# KiCad board SparkFun_GNSS_LG580P_panelized.kicad_pcb (continued)
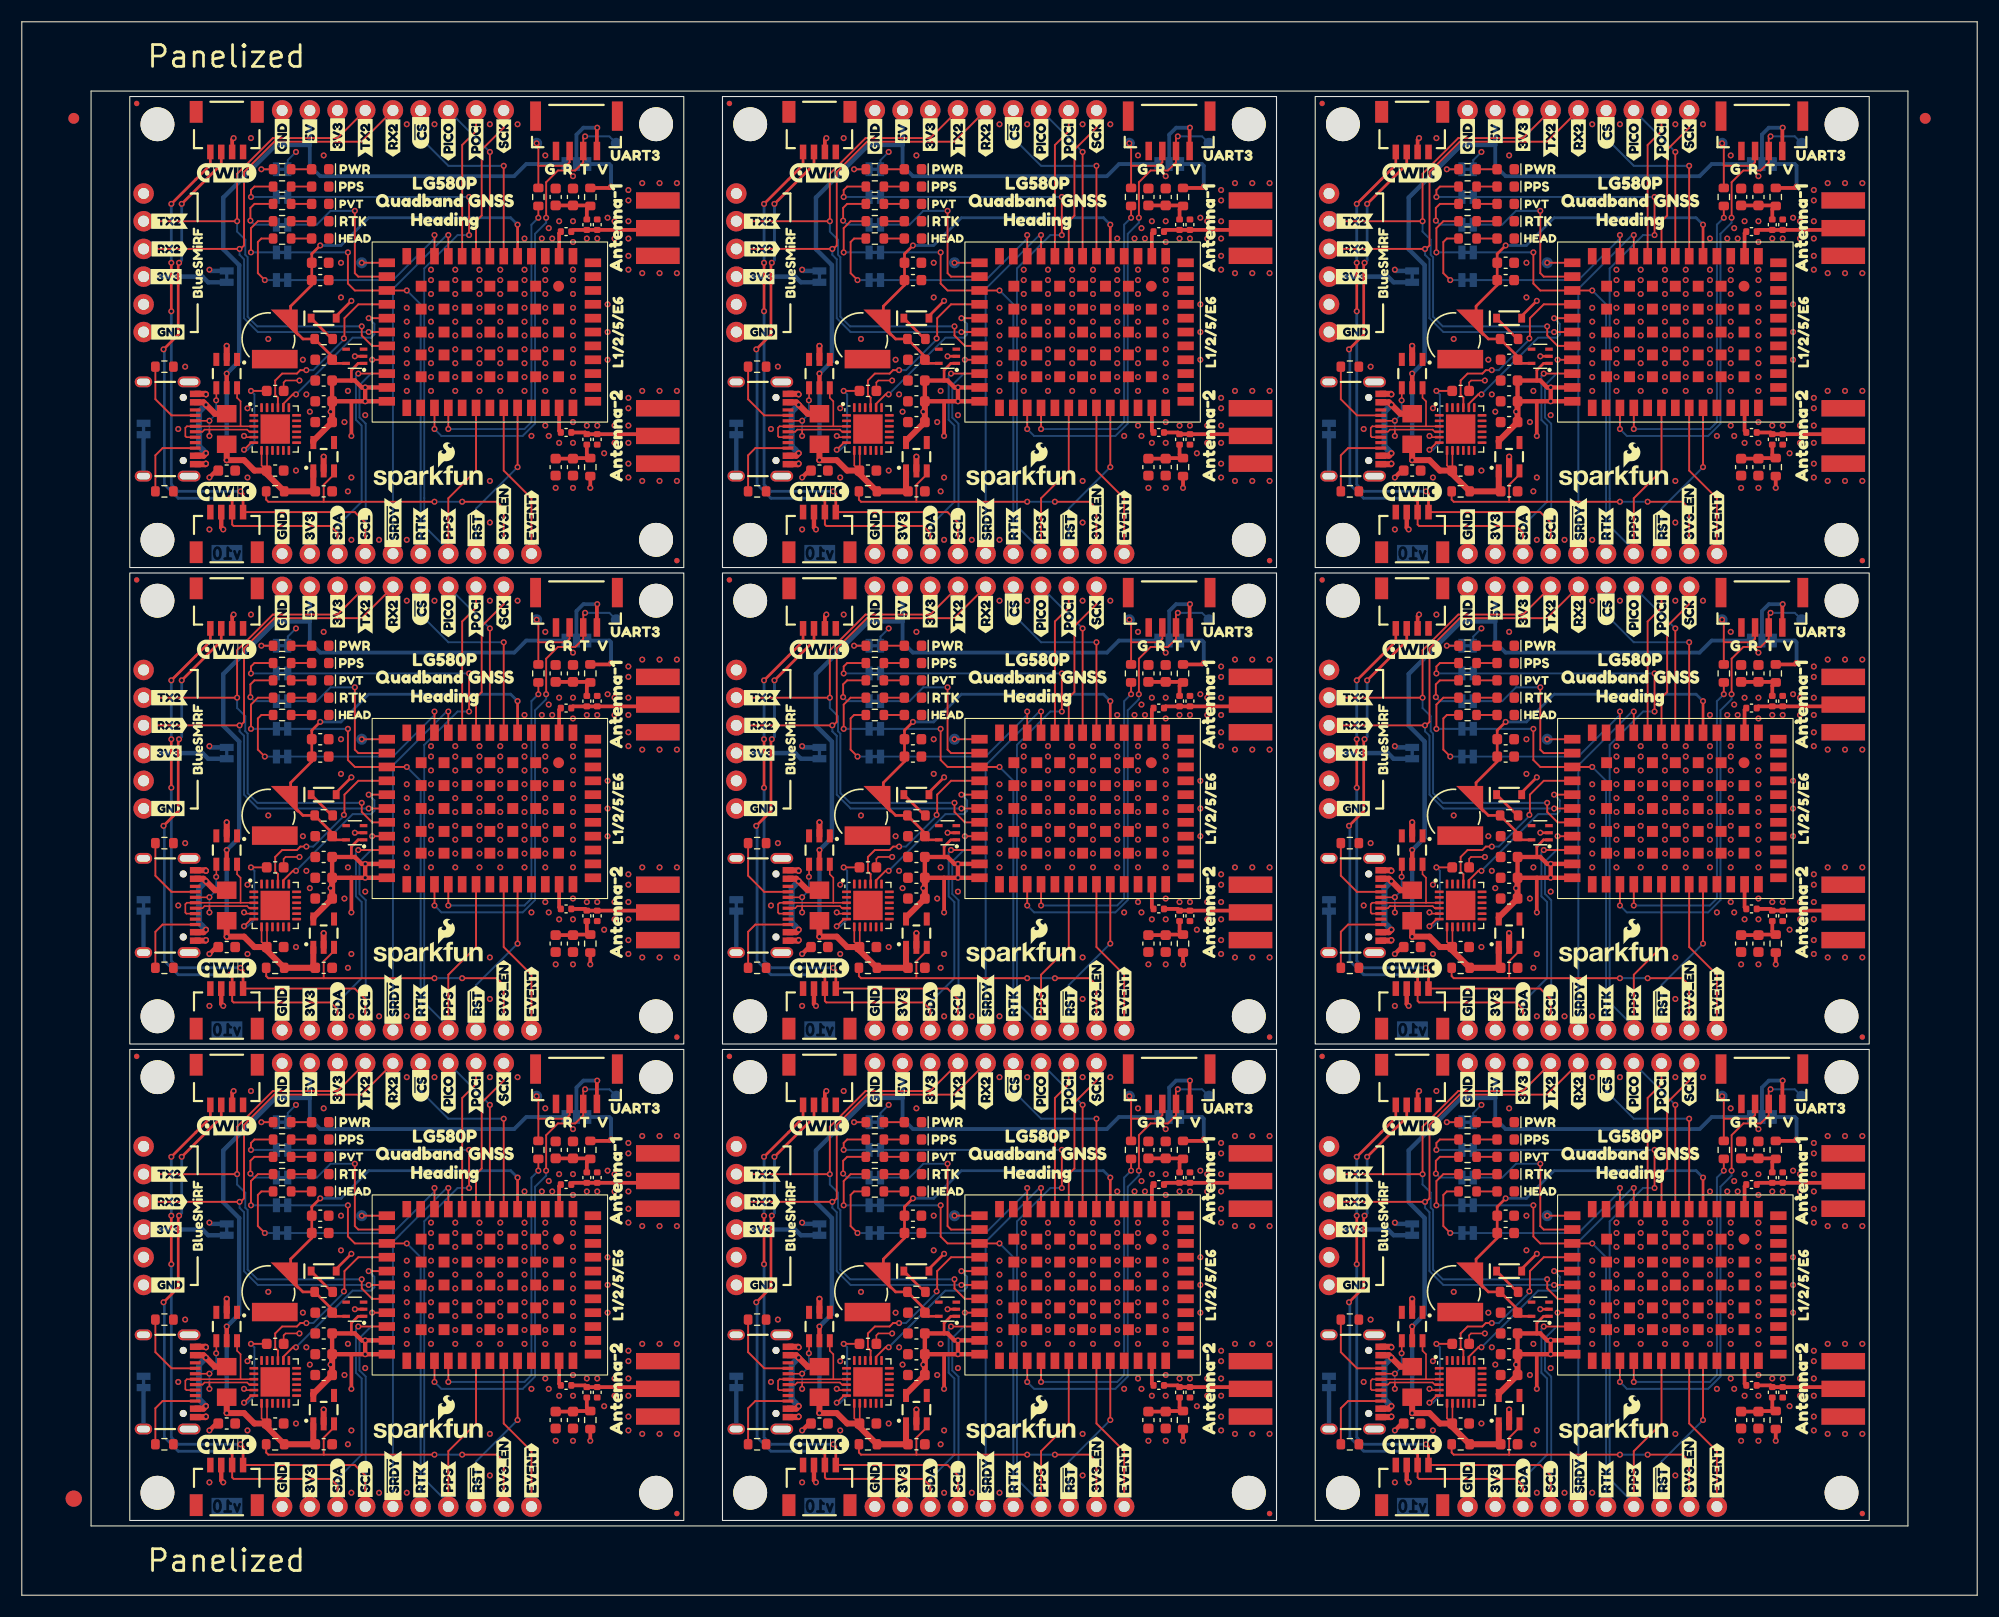
[diagram p0: board, top side]
## Library data of the parts (continued)
J1#9 = -: Datasheet: https://www.usb.org/sites/default/files/documents/usb_type-c.zip; Description: USB 2.0-only Type-C Receptacle connector; PROD_ID: CONN-14122; ki_fp_filters: USB*C*Receptacle*
J2 J2#2-J2#8 J10 J10#2-J10#8 = -: Description: Generic connector, single row, 01x06, script generated (kicad-library-utils/schlib/autogen/connector/)
J2#9 J10#9 = -: Description: Generic connector, single row, 01x06, script generated (kicad-library-utils/schlib/autogen/connector/); ki_fp_filters: Connector*:*_1x??_*
J3 J3#2-J3#8 J5 J5#2-J5#8 = -: Datasheet: https://www.sparkfun.com/datasheets/Wireless/Antenna/SMA-Connector.pdf; Description: SMA PCB Edge Mount connector; PROD_ID: CONN-08289
J3#9 J5#9 = -: Datasheet: https://www.sparkfun.com/datasheets/Wireless/Antenna/SMA-Connector.pdf; Description: SMA PCB Edge Mount connector; PROD_ID: CONN-08289; ki_fp_filters: *BNC* *SMA* *SMB* *SMC* *Cinch* *LEMO*
J4 J4#2-J4#8 J7 J7#2-J7#8 = -: Datasheet: https://www.jst-mfg.com/product/pdf/eng/eSH.pdf; Description: 4 pin JST 1mm polarized connector for I2C; PROD_ID: CONN-13694
J4#9 J7#9 = -: Datasheet: https://www.jst-mfg.com/product/pdf/eng/eSH.pdf; Description: 4 pin JST 1mm polarized connector for I2C; PROD_ID: CONN-13694; ki_fp_filters: Connector*:*_1x??_*
J6 J6#2-J6#8 = -: Description: Generic connector, single row, 01x09, script generated (kicad-library-utils/schlib/autogen/connector/)
J6#9 = -: Description: Generic connector, single row, 01x09, script generated (kicad-library-utils/schlib/autogen/connector/); ki_fp_filters: Connector*:*_1x??_*
J8 J8#2-J8#8 = -: Datasheet: https://www.jst-mfg.com/product/pdf/eng/eGH.pdf; Description: Generic connector, single row, 01x04, script generated (kicad-library-utils/schlib/autogen/connector/); PROD_ID: CONN-15303
J8#9 = -: Datasheet: https://www.jst-mfg.com/product/pdf/eng/eGH.pdf; Description: Generic connector, single row, 01x04, script generated (kicad-library-utils/schlib/autogen/connector/); PROD_ID: CONN-15303; ki_fp_filters: Connector*:*_1x??_*
J9 J9#2-J9#8 = -: Description: Coomon 4 pin PTH connector for I2C
J9#9 = -: Description: Coomon 4 pin PTH connector for I2C; ki_fp_filters: Connector*:*_1x??_*
JP1 JP1#2-JP1#8 JP2 JP2#2-JP2#8 JP3#2-JP3#9 JP5 JP5#2-JP5#8 JP6 JP6#2-JP6#8 JP7#2-JP7#9 JP8#2-JP8#9 = -: Description: Solder Jumper, 2-pole, closed/bridged
JP1#9 JP2#9 JP3 JP5#9 JP6#9 JP7 JP8 = -: Description: Solder Jumper, 2-pole, closed/bridged; ki_fp_filters: SolderJumper*Bridged*
JP4 = -: Description: 3-pole Solder Jumper, pins 1+2 closed/bridged; ki_fp_filters: SolderJumper*Bridged12*
JP4#2-JP4#9 = -: Description: 3-pole Solder Jumper, pins 1+2 closed/bridged
L1 = -: Description: Inductor; Current: 200mA; PROD_ID: NDUC-15356; ki_fp_filters: Choke_* *Coil* Inductor_* L_*
L1#2-L1#9 = -: Description: Inductor; Current: 200mA; PROD_ID: NDUC-15356
L2 L2#2-L2#8 = -: Description: Inductor; PROD_ID: NDUC-15356; Current: 200mA
L2#9 = -: Description: Inductor; PROD_ID: NDUC-15356; Current: 200mA; ki_fp_filters: Choke_* *Coil* Inductor_* L_*
R1 R1#2-R1#8 R2 R2#2-R2#8 = -: Datasheet: https://www.vishay.com/docs/20035/dcrcwe3.pdf; Description: Resistor; PROD_ID: RES-12083
R1#9 R2#9 = -: Datasheet: https://www.vishay.com/docs/20035/dcrcwe3.pdf; Description: Resistor; PROD_ID: RES-12083; ki_fp_filters: R_*
R3 R3#2-R3#8 R7#2-R7#9 R8 R8#2-R8#8 = -: Datasheet: https://www.vishay.com/docs/20035/dcrcwe3.pdf; Description: Resistor; PROD_ID: RES-07856
R3#9 R7 R8#9 = -: Datasheet: https://www.vishay.com/docs/20035/dcrcwe3.pdf; Description: Resistor; PROD_ID: RES-07856; ki_fp_filters: R_*
R4 R4#2-R4#8 = -: Datasheet: https://www.vishay.com/docs/20035/dcrcwe3.pdf; Description: Resistor; PROD_ID: RES-07857
R4#9 = -: Datasheet: https://www.vishay.com/docs/20035/dcrcwe3.pdf; Description: Resistor; PROD_ID: RES-07857; ki_fp_filters: R_*
R5 R5#2-R5#8 R11 R11#2-R11#8 = -: Datasheet: https://www.vishay.com/docs/20035/dcrcwe3.pdf; Description: Resistor; PROD_ID: RES-08272
R5#9 R11#9 = -: Datasheet: https://www.vishay.com/docs/20035/dcrcwe3.pdf; Description: Resistor; PROD_ID: RES-08272; ki_fp_filters: R_*
R6 R12#9 = -: Datasheet: https://www.vishay.com/docs/20035/dcrcwe3.pdf; Description: Resistor; PROD_ID: RES-12581; ki_fp_filters: R_*
R6#2-R6#9 R12 R12#2-R12#8 = -: Datasheet: https://www.vishay.com/docs/20035/dcrcwe3.pdf; Description: Resistor; PROD_ID: RES-12581
R9 = -: Datasheet: https://www.vishay.com/docs/20035/dcrcwe3.pdf; Description: Resistor; PROD_ID: RES-07828; ki_fp_filters: R_*
R9#2-R9#9 = -: Datasheet: https://www.vishay.com/docs/20035/dcrcwe3.pdf; Description: Resistor; PROD_ID: RES-07828
R10 R10#2-R10#8 = -: Datasheet: https://www.vishay.com/docs/20035/dcrcwe3.pdf; Description: Resistor; PROD_ID: RES-00818
R10#9 = -: Datasheet: https://www.vishay.com/docs/20035/dcrcwe3.pdf; Description: Resistor; PROD_ID: RES-00818; ki_fp_filters: R_*
ST1 ST1#2-ST1#8 ST2 ST2#2-ST2#8 ST3#2-ST3#9 ST4#2-ST4#9 = -: Description: Drill holes for mechanically mounting via screws, standoffs, etc.
ST1#9 ST2#9 ST3 ST4 = -: Description: Drill holes for mechanically mounting via screws, standoffs, etc.; ki_fp_filters: Fiducial*
TP1 TP1#2-TP1#8 TP2 TP2#2-TP2#8 TP3 TP3#2-TP3#8 = -: Description: Test Point
TP1#9 TP2#9 TP3#9 = -: Description: Test Point; ki_fp_filters: Pin* Test*
U1 U1#2-U1#8 = -: Datasheet: https://www.diodes.com/assets/Datasheets/DT1042-04SO.pdf; Description: Very low capacitance ESD protection diode, 4 data-line, SOT-23-6; PROD_ID: IC-13538
U1#9 = -: Datasheet: https://www.diodes.com/assets/Datasheets/DT1042-04SO.pdf; Description: Very low capacitance ESD protection diode, 4 data-line, SOT-23-6; PROD_ID: IC-13538; ki_fp_filters: SOT?23*
U2 U2#2-U2#8 = -: Datasheet: https://www.richtek.com/SaveDownload.aspx?specid=RT9080; Description: 600mA low dropout linear regulator, with enable pin, 3.8V-6V input voltage range, 3.3V fixed positive output, SOT-23-5; PROD_ID: VREG-19034; VMax: 5.5V; Imax: 600mA; Iq: 4µA; IMax: 600mA
U2#9 = -: Datasheet: https://www.richtek.com/SaveDownload.aspx?specid=RT9080; Description: 600mA low dropout linear regulator, with enable pin, 3.8V-6V input voltage range, 3.3V fixed positive output, SOT-23-5; PROD_ID: VREG-19034; VMax: 5.5V; Imax: 600mA; Iq: 4µA; IMax: 600mA; ki_fp_filters: SOT?23?5*
U3 U3#2-U3#9 = -: Datasheet: https://cdn.sparkfun.com/assets/1/8/d/6/6/Quectel_LG580P_03__Hardware_Design_V1.0.0_Preliminary_20241012.pdf; Description: Quectel Quadband GNSS Receiver with Heading; PROD_ID: GPS-25039
U4 U4#2-U4#8 = -: Datasheet: https://cdn.sparkfun.com/assets/4/5/0/b/7/CH342_Datasheet.pdf; Description: USB dual serial converter, UART, QFN-24; PROD_ID: IC-23059
U4#9 = -: Datasheet: https://cdn.sparkfun.com/assets/4/5/0/b/7/CH342_Datasheet.pdf; Description: USB dual serial converter, UART, QFN-24; PROD_ID: IC-23059; ki_fp_filters: SOIC*3.9x9.9mm*P1.27mm*

## Footprints (pads in the part's own frame, mm; a bottom-side part is the same pattern mirrored in y, then rotated)
1x04
  round 1.88 hole 1.016: 1(0,0) 2(2.54,0) 3(5.08,0) 4(7.62,0)
1x06
  round 1.88 hole 1.016: 1(0,0) 2(2.54,0) 3(5.08,0) 4(7.62,0) 5(10.16,0) 6(12.7,0)
1x09
  round 1.88 hole 1.016: 1(0,0) 2(2.54,0) 3(5.08,0) 4(7.62,0) 5(10.16,0) 6(12.7,0) 7(15.24,0) 8(17.78,0) 9(20.32,0)
1206
  rect 1.6x1.8 smd: 1(-1.4,0) 2(1.4,0)
C_0402_1005Metric
  rrect 0.56x0.62 smd: 1(-0.48,0) 2(0.48,0)
C_0603_1608Metric
  rrect 0.9x0.95 smd: 1(-0.775,0) 2(0.775,0)
Fiducial_0.5mm_Mask1mm
  round 0.5 smd: (0,0)
Fiducial_1.5mm_Mask3mm
  round 1.5 smd: (0,0)
Fiducial_1mm_Mask3mm
  round 1 smd: (0,0)
JST_SMD_1.0mm-4_Black
  rect 0.6x1.35 smd: 1(-1.5,0) 2(-0.5,0) 3(0.5,0) 4(1.5,0)
  rect 1.2x2 smd: NC1(2.8,-3.675) NC2(-2.8,-3.675)
JST_SMD_1.25mm-4_Locking
  rect 0.6x1.7 smd: 1(-1.875,1.75) 2(-0.625,1.75) 3(0.625,1.75) 4(1.875,1.75)
  rect 1x2.7 smd: NC1(-3.75,-1.45) NC2(3.75,-1.45)
Jumper_2_NC_Trace
  rect 0.66x1.27 smd: 1(-0.521,0) 2(0.521,0)
Jumper_3_NC-1_Trace
  rect 0.66x1.27 smd: 1(-1.041,0) 2(0,0) 3(1.041,0)
LED_0603_1608Metric_Blue
  rrect 0.875x0.95 smd: 1(-0.787,0) 2(0.787,0)
LED_0603_1608Metric_Green
  rrect 0.875x0.95 smd: 1(-0.787,0) 2(0.787,0)
LED_0603_1608Metric_Red
  rrect 0.875x0.95 smd: 1(-0.787,0) 2(0.787,0)
LED_0603_1608Metric_White
  rrect 0.875x0.95 smd: 1(-0.787,0) 2(0.787,0)
LED_0603_1608Metric_Yellow
  rrect 0.875x0.95 smd: 1(-0.787,0) 2(0.787,0)
ML414H_IV01E
  custom 2.485x2.485 smd: +(2.05,2.152)
  rect 4.2x1.7 smd: -(0.6,-1.85)
QFN-24-1EP_4x4mm_P0.5mm_EP2.7x2.7mm
  rrect 1.09x1.09 smd: (-0.675,0.675) (-0.675,-0.675) (0.675,0.675) (0.675,-0.675)
  rrect 0.825x0.25 smd: 1(-1.962,1.25) 2(-1.962,0.75) 3(-1.962,0.25) 4(-1.962,-0.25) 5(-1.962,-0.75) 6(-1.962,-1.25) 13(1.962,-1.25) 14(1.962,-0.75) 15(1.962,-0.25) 16(1.962,0.25) 17(1.962,0.75) 18(1.962,1.25)
  rrect 0.25x0.825 smd: 7(-1.25,-1.962) 8(-0.75,-1.962) 9(-0.25,-1.962) 10(0.25,-1.962) 11(0.75,-1.962) 12(1.25,-1.962) 19(1.25,1.962) 20(0.75,1.962) 21(0.25,1.962) 22(-0.25,1.962) 23(-0.75,1.962) 24(-1.25,1.962)
  rect 2.7x2.7 smd: 25(0,0)
Quectel_LG580P
  rect 1.5x0.8 smd: 1(-6.95,7.62) 2(-6.95,6.35) 3(-6.95,5.08) 4(-6.95,3.81) 5(-6.95,2.54) 6(-6.95,1.27) 7(-6.95,0) 8(-6.95,-1.27) 9(-6.95,-2.54) 10(-6.95,-3.81) 11(-6.95,-5.08) 12(-6.95,-6.35) 13(-6.95,-7.62) 25(6.95,-7.62) 26(6.95,-6.35) 27(6.95,-5.08) 28(6.95,-3.81) 29(6.95,-2.54) 30(6.95,-1.27) 31(6.95,0) 32(6.95,1.27) 33(6.95,2.54) 34(6.95,3.81) 35(6.95,5.08) 36(6.95,6.35) 37(6.95,7.62)
  rect 0.8x1.5 smd: 14(-6.35,-9.45) 15(-5.08,-9.45) 16(-3.81,-9.45) 17(-2.54,-9.45) 18(-1.27,-9.45) 19(0,-9.45) 20(1.27,-9.45) 21(2.54,-9.45) 22(3.81,-9.45) 23(5.08,-9.45) 24(6.35,-9.45) 38(6.35,9.45) 39(5.08,9.45) 40(3.81,9.45) 41(2.54,9.45) 42(1.27,9.45) 43(0,9.45) 44(-1.27,9.45) 45(-2.54,9.45) 46(-3.81,9.45) 47(-5.08,9.45) 48(-6.35,9.45)
  round 1 smd: 49(-4.2,6.3)
  rect 1x1 smd: 49(-4.2,4.2) 49(-4.2,2.1) 49(-4.2,0) 49(-4.2,-2.1) 49(-4.2,-4.2) 49(-4.2,-6.3) 49(-2.1,6.3) 49(-2.1,4.2) 49(-2.1,2.1) 49(-2.1,0) 49(-2.1,-2.1) 49(-2.1,-4.2) 49(-2.1,-6.3) 49(0,6.3) 49(0,4.2) 49(0,2.1) 49(0,0) 49(0,-2.1) 49(0,-4.2) 49(0,-6.3) 49(2.1,6.3) 49(2.1,4.2) 49(2.1,2.1) 49(2.1,0) 49(2.1,-2.1) 49(2.1,-4.2) 49(2.1,-6.3) 49(4.1,6.3) 49(4.1,4.2) 49(4.1,2.1) 49(4.1,0) 49(4.1,-2.1) 49(4.1,-4.2) 49(4.1,-6.3)
R_0603_1608Metric
  rrect 0.8x0.95 smd: 1(-0.825,0) 2(0.825,0)
SMA_Edge
  rect 1.5x4 smd: 1(0,0) 2(-2.54,0) 2(2.54,0)
  rect 1.5x4 smd far side: 2(-2.54,0) 2(2.54,0)
SOD-323
  rect 0.63x0.83 smd: 1(-1.15,0) 2(1.15,0)
SOT23-5
  rect 1.2x0.55 smd: 1(-1.3,0.95) 2(-1.3,0) 3(-1.3,-0.95) 4(1.3,-0.95) 5(1.3,0.95)
SOT23-6
  rect 1.2x0.55 smd: 1(-1.3,0.95) 2(-1.3,0) 3(-1.3,-0.95) 4(1.3,-0.95) 5(1.3,0) 6(1.3,0.95)
SOT-353
  rect 0.7x0.3 smd: 1(-0.8,0.65) 2(-0.8,0) 3(-0.8,-0.65) 4(0.8,-0.65) 5(0.8,0.65)
Standoff
  round 3.1 hole 3.1 unplated: (0,0)
TestPoint-1.0mm
  rrect 1.016x1.016 smd: 1(0,0)
USB-C_16
  round 0.65 hole 0.65 unplated: (-2.89,-1.445) (2.89,-1.445)
  rect 0.3x1 smd: A5(-1.25,-0.34) A6(-0.25,-0.34) A7(0.25,-0.34) A8(1.25,-0.34) B5(1.75,-0.34) B6(0.75,-0.34) B7(-0.75,-0.34) B8(-1.75,-0.34)
  rect 0.6x1 smd: GND(-3.225,-0.34) GND(3.225,-0.34) VBUS(-2.45,-0.34) VBUS(2.45,-0.34)
  oval 1x1.6 hole 0.6x1.2: NC1(-4.318,-5.095) S(4.318,-5.095)
  oval 1x2.1 hole 0.6x1.7: NC2(-4.318,-0.915) NC3(4.318,-0.915)

## Nets
3.3V: C2.1 C2#2.1 C2#3.1 C2#4.1 C2#5.1 C2#6.1 C2#7.1 C2#8.1 C2#9.1 C5.1 C5#2.1 C5#3.1 C5#4.1 C5#5.1 C5#6.1 C5#7.1 C5#8.1 C5#9.1 C8.1 C8#2.1 C8#3.1 C8#4.1 C8#5.1 C8#6.1 C8#7.1 C8#8.1 C8#9.1 C13.1 C13#2.1 C13#3.1 C13#4.1 C13#5.1 C13#6.1 C13#7.1 C13#8.1 C13#9.1 D5.2 D5#2.2 D5#3.2 D5#4.2 D5#5.2 D5#6.2 D5#7.2 D5#8.2 D5#9.2 D11.1 D11#2.1 D11#3.1 D11#4.1 D11#5.1 D11#6.1 D11#7.1 D11#8.1 D11#9.1 J4.2 J4#2.2 J4#3.2 J4#4.2 J4#5.2 J4#6.2 J4#7.2 J4#8.2 J4#9.2 J6.7 J6#2.7 J6#3.7 J6#4.7 J6#5.7 J6#6.7 J6#7.7 J6#8.7 J6#9.7 J7.2 J7#2.2 J7#3.2 J7#4.2 J7#5.2 J7#6.2 J7#7.2 J7#8.2 J7#9.2 J9.2 J9#2.2 J9#3.2 J9#4.2 J9#5.2 J9#6.2 J9#7.2 J9#8.2 J9#9.2 JP1.2 JP1#2.2 JP1#3.2 JP1#4.2 JP1#5.2 JP1#6.2 JP1#7.2 JP1#8.2 JP1#9.2 JP2.2 JP2#2.2 JP2#3.2 JP2#4.2 JP2#5.2 JP2#6.2 JP2#7.2 JP2#8.2 JP2#9.2 JP4.1 JP4#2.1 JP4#3.1 JP4#4.1 JP4#5.1 JP4#6.1 JP4#7.1 JP4#8.1 JP4#9.1 R6.2 R6#2.2 R6#3.2 R6#4.2 R6#5.2 R6#6.2 R6#7.2 R6#8.2 R6#9.2 R12.2 R12#2.2 R12#3.2 R12#4.2 R12#5.2 R12#6.2 R12#7.2 R12#8.2 R12#9.2 U2.5 U2#2.5 U2#3.5 U2#4.5 U2#5.5 U2#6.5 U2#7.5 U2#8.5 U2#9.5 U3.23 U3.24 U3#2.23 U3#2.24 U3#3.23 U3#3.24 U3#4.23 U3#4.24 U3#5.23 U3#5.24 U3#6.23 U3#6.24 U3#7.23 U3#7.24 U3#8.23 U3#8.24 U3#9.23 U3#9.24 U4.5 U4#2.5 U4#3.5 U4#4.5 U4#5.5 U4#6.5 U4#7.5 U4#8.5 U4#9.5
3V3_EN: J10.5 J10#2.5 J10#3.5 J10#4.5 J10#5.5 J10#6.5 J10#7.5 J10#8.5 J10#9.5 R9.1 R9#2.1 R9#3.1 R9#4.1 R9#5.1 R9#6.1 R9#7.1 R9#8.1 R9#9.1 U2.3 U2#2.3 U2#3.3 U2#4.3 U2#5.3 U2#6.3 U2#7.3 U2#8.3 U2#9.3
5V: C1.1 C1#2.1 C1#3.1 C1#4.1 C1#5.1 C1#6.1 C1#7.1 C1#8.1 C1#9.1 C7.1 C7#2.1 C7#3.1 C7#4.1 C7#5.1 C7#6.1 C7#7.1 C7#8.1 C7#9.1 F1.1 F1#2.1 F1#3.1 F1#4.1 F1#5.1 F1#6.1 F1#7.1 F1#8.1 F1#9.1 J6.8 J6#2.8 J6#3.8 J6#4.8 J6#5.8 J6#6.8 J6#7.8 J6#8.8 J6#9.8 JP4.3 JP4#2.3 JP4#3.3 JP4#4.3 JP4#5.3 JP4#6.3 JP4#7.3 JP4#8.3 JP4#9.3 R9.2 R9#2.2 R9#3.2 R9#4.2 R9#5.2 R9#6.2 R9#7.2 R9#8.2 R9#9.2 U1.5 U1#2.5 U1#3.5 U1#4.5 U1#5.5 U1#6.5 U1#7.5 U1#8.5 U1#9.5 U2.1 U2#2.1 U2#3.1 U2#4.1 U2#5.1 U2#6.1 U2#7.1 U2#8.1 U2#9.1 U4.7 U4.8 U4#2.7 U4#2.8 U4#3.7 U4#3.8 U4#4.7 U4#4.8 U4#5.7 U4#5.8 U4#6.7 U4#6.8 U4#7.7 U4#7.8 U4#8.7 U4#8.8 U4#9.7 U4#9.8
GND: BT1.- BT1#2.- BT1#3.- BT1#4.- BT1#5.- BT1#6.- BT1#7.- BT1#8.- BT1#9.- C1.2 C1#2.2 C1#3.2 C1#4.2 C1#5.2 C1#6.2 C1#7.2 C1#8.2 C1#9.2 C2.2 C2#2.2 C2#3.2 C2#4.2 C2#5.2 C2#6.2 C2#7.2 C2#8.2 C2#9.2 C3.2 C3#2.2 C3#3.2 C3#4.2 C3#5.2 C3#6.2 C3#7.2 C3#8.2 C3#9.2 C4.2 C4#2.2 C4#3.2 C4#4.2 C4#5.2 C4#6.2 C4#7.2 C4#8.2 C4#9.2 C5.2 C5#2.2 C5#3.2 C5#4.2 C5#5.2 C5#6.2 C5#7.2 C5#8.2 C5#9.2 C7.2 C7#2.2 C7#3.2 C7#4.2 C7#5.2 C7#6.2 C7#7.2 C7#8.2 C7#9.2 C8.2 C8#2.2 C8#3.2 C8#4.2 C8#5.2 C8#6.2 C8#7.2 C8#8.2 C8#9.2 C9.2 C9#2.2 C9#3.2 C9#4.2 C9#5.2 C9#6.2 C9#7.2 C9#8.2 C9#9.2 C10.1 C10#2.1 C10#3.1 C10#4.1 C10#5.1 C10#6.1 C10#7.1 C10#8.1 C10#9.1 C11.2 C11#2.2 C11#3.2 C11#4.2 C11#5.2 C11#6.2 C11#7.2 C11#8.2 C11#9.2 C12.2 C12#2.2 C12#3.2 C12#4.2 C12#5.2 C12#6.2 C12#7.2 C12#8.2 C12#9.2 C13.2 C13#2.2 C13#3.2 C13#4.2 C13#5.2 C13#6.2 C13#7.2 C13#8.2 C13#9.2 C14.2 C14#2.2 C14#3.2 C14#4.2 C14#5.2 C14#6.2 C14#7.2 C14#8.2 C14#9.2 C15.2 C15#2.2 C15#3.2 C15#4.2 C15#5.2 C15#6.2 C15#7.2 C15#8.2 C15#9.2 D1.1 D1#2.1 D1#3.1 D1#4.1 D1#5.1 D1#6.1 D1#7.1 D1#8.1 D1#9.1 D2.1 D2#2.1 D2#3.1 D2#4.1 D2#5.1 D2#6.1 D2#7.1 D2#8.1 D2#9.1 D3.1 D3#2.1 D3#3.1 D3#4.1 D3#5.1 D3#6.1 D3#7.1 D3#8.1 D3#9.1 D4.1 D4#2.1 D4#3.1 D4#4.1 D4#5.1 D4#6.1 D4#7.1 D4#8.1 D4#9.1 D8.1 D8#2.1 D8#3.1 D8#4.1 D8#5.1 D8#6.1 D8#7.1 D8#8.1 D8#9.1 D9.1 D9#2.1 D9#3.1 D9#4.1 D9#5.1 D9#6.1 D9#7.1 D9#8.1 D9#9.1 D10.1 D10#2.1 D10#3.1 D10#4.1 D10#5.1 D10#6.1 D10#7.1 D10#8.1 D10#9.1 D11.2 D11#2.2 D11#3.2 D11#4.2 D11#5.2 D11#6.2 D11#7.2 D11#8.2 D11#9.2 J1.GND J1#2.GND J1#3.GND J1#4.GND J1#5.GND J1#6.GND J1#7.GND J1#8.GND J1#9.GND J2.6 J2#2.6 J2#3.6 J2#4.6 J2#5.6 J2#6.6 J2#7.6 J2#8.6 J2#9.6 J3.2 J3#2.2 J3#3.2 J3#4.2 J3#5.2 J3#6.2 J3#7.2 J3#8.2 J3#9.2 J4.1 J4#2.1 J4#3.1 J4#4.1 J4#5.1 J4#6.1 J4#7.1 J4#8.1 J4#9.1 J5.2 J5#2.2 J5#3.2 J5#4.2 J5#5.2 J5#6.2 J5#7.2 J5#8.2 J5#9.2 J6.9 J6#2.9 J6#3.9 J6#4.9 J6#5.9 J6#6.9 J6#7.9 J6#8.9 J6#9.9 J7.1 J7#2.1 J7#3.1 J7#4.1 J7#5.1 J7#6.1 J7#7.1 J7#8.1 J7#9.1 J8.4 J8#2.4 J8#3.4 J8#4.4 J8#5.4 J8#6.4 J8#7.4 J8#8.4 J8#9.4 J9.1 J9#2.1 J9#3.1 J9#4.1 J9#5.1 J9#6.1 J9#7.1 J9#8.1 J9#9.1 JP7.1 JP7#2.1 JP7#3.1 JP7#4.1 JP7#5.1 JP7#6.1 JP7#7.1 JP7#8.1 JP7#9.1 R1.1 R1#2.1 R1#3.1 R1#4.1 R1#5.1 R1#6.1 R1#7.1 R1#8.1 R1#9.1 R2.1 R2#2.1 R2#3.1 R2#4.1 R2#5.1 R2#6.1 R2#7.1 R2#8.1 R2#9.1 U1.2 U1#2.2 U1#3.2 U1#4.2 U1#5.2 U1#6.2 U1#7.2 U1#8.2 U1#9.2 U2.2 U2#2.2 U2#3.2 U2#4.2 U2#5.2 U2#6.2 U2#7.2 U2#8.2 U2#9.2 U3.1 U3.3 U3.4 U3.34 U3.35 U3.37 U3.41 U3.43 U3.45 U3.49 U3#2.1 U3#2.3 U3#2.4 U3#2.34 U3#2.35 U3#2.37 U3#2.41 U3#2.43 U3#2.45 U3#2.49 U3#3.1 U3#3.3 U3#3.4 U3#3.34 U3#3.35 U3#3.37 U3#3.41 U3#3.43 U3#3.45 U3#3.49 U3#4.1 U3#4.3 U3#4.4 U3#4.34 U3#4.35 U3#4.37 U3#4.41 U3#4.43 U3#4.45 U3#4.49 U3#5.1 U3#5.3 U3#5.4 U3#5.34 U3#5.35 U3#5.37 U3#5.41 U3#5.43 U3#5.45 U3#5.49 U3#6.1 U3#6.3 U3#6.4 U3#6.34 U3#6.35 U3#6.37 U3#6.41 U3#6.43 U3#6.45 U3#6.49 U3#7.1 U3#7.3 U3#7.4 U3#7.34 U3#7.35 U3#7.37 U3#7.41 U3#7.43 U3#7.45 U3#7.49 U3#8.1 U3#8.3 U3#8.4 U3#8.34 U3#8.35 U3#8.37 U3#8.41 U3#8.43 U3#8.45 U3#8.49 U3#9.1 U3#9.3 U3#9.4 U3#9.34 U3#9.35 U3#9.37 U3#9.41 U3#9.43 U3#9.45 U3#9.49 U4.2 U4.25 U4#2.2 U4#2.25 U4#3.2 U4#3.25 U4#4.2 U4#4.25 U4#5.2 U4#5.25 U4#6.2 U4#6.25 U4#7.2 U4#7.25 U4#8.2 U4#8.25 U4#9.2 U4#9.25
ANT_IN1: C6.2 C6#2.2 C6#3.2 C6#4.2 C6#5.2 C6#6.2 C6#7.2 C6#8.2 C6#9.2 U3.2 U3#2.2 U3#3.2 U3#4.2 U3#5.2 U3#6.2 U3#7.2 U3#8.2 U3#9.2
ANT_IN2: C16.2 C16#2.2 C16#3.2 C16#4.2 C16#5.2 C16#6.2 C16#7.2 C16#8.2 C16#9.2 U3.36 U3#2.36 U3#3.36 U3#4.36 U3#5.36 U3#6.36 U3#7.36 U3#8.36 U3#9.36
EVENT: J10.6 J10#2.6 J10#3.6 J10#4.6 J10#5.6 J10#6.6 J10#7.6 J10#8.6 J10#9.6 U3.32 U3#2.32 U3#3.32 U3#4.32 U3#5.32 U3#6.32 U3#7.32 U3#8.32 U3#9.32
HEADING_STAT: JP6.2 JP6#2.2 JP6#3.2 JP6#4.2 JP6#5.2 JP6#6.2 JP6#7.2 JP6#8.2 JP6#9.2 U3.11 U3#2.11 U3#3.11 U3#4.11 U3#5.11 U3#6.11 U3#7.11 U3#8.11 U3#9.11
PICO: J6.3 J6#2.3 J6#3.3 J6#4.3 J6#5.3 J6#6.3 J6#7.3 J6#8.3 J6#9.3 U3.7 U3#2.7 U3#3.7 U3#4.7 U3#5.7 U3#6.7 U3#7.7 U3#8.7 U3#9.7
POCI: J6.2 J6#2.2 J6#3.2 J6#4.2 J6#5.2 J6#6.2 J6#7.2 J6#8.2 J6#9.2 U3.9 U3#2.9 U3#3.9 U3#4.9 U3#5.9 U3#6.9 U3#7.9 U3#8.9 U3#9.9
PPS: J10.3 J10#2.3 J10#3.3 J10#4.3 J10#5.3 J10#6.3 J10#7.3 J10#8.3 J10#9.3 JP3.2 JP3#2.2 JP3#3.2 JP3#4.2 JP3#5.2 JP3#6.2 JP3#7.2 JP3#8.2 JP3#9.2 U3.30 U3#2.30 U3#3.30 U3#4.30 U3#5.30 U3#6.30 U3#7.30 U3#8.30 U3#9.30
PVT_STAT: JP8.2 JP8#2.2 JP8#3.2 JP8#4.2 JP8#5.2 JP8#6.2 JP8#7.2 JP8#8.2 JP8#9.2 U3.15 U3#2.15 U3#3.15 U3#4.15 U3#5.15 U3#6.15 U3#7.15 U3#8.15 U3#9.15
RTK_STAT: J10.2 J10#2.2 J10#3.2 J10#4.2 J10#5.2 J10#6.2 J10#7.2 J10#8.2 J10#9.2 JP5.2 JP5#2.2 JP5#3.2 JP5#4.2 JP5#5.2 JP5#6.2 JP5#7.2 JP5#8.2 JP5#9.2 U3.16 U3#2.16 U3#3.16 U3#4.16 U3#5.16 U3#6.16 U3#7.16 U3#8.16 U3#9.16
RXD1: U3.17 U3#2.17 U3#3.17 U3#4.17 U3#5.17 U3#6.17 U3#7.17 U3#8.17 U3#9.17 U4.21 U4#2.21 U4#3.21 U4#4.21 U4#5.21 U4#6.21 U4#7.21 U4#8.21 U4#9.21
RXD2: J2.3 J2#2.3 J2#3.3 J2#4.3 J2#5.3 J2#6.3 J2#7.3 J2#8.3 J2#9.3 J6.5 J6#2.5 J6#3.5 J6#4.5 J6#5.5 J6#6.5 J6#7.5 J6#8.5 J6#9.5 U3.19 U3#2.19 U3#3.19 U3#4.19 U3#5.19 U3#6.19 U3#7.19 U3#8.19 U3#9.19
RXD3: R8.2 R8#2.2 R8#3.2 R8#4.2 R8#5.2 R8#6.2 R8#7.2 R8#8.2 R8#9.2 U3.28 U3#2.28 U3#3.28 U3#4.28 U3#5.28 U3#6.28 U3#7.28 U3#8.28 U3#9.28
SCK: J6.1 J6#2.1 J6#3.1 J6#4.1 J6#5.1 J6#6.1 J6#7.1 J6#8.1 J6#9.1 U3.8 U3#2.8 U3#3.8 U3#4.8 U3#5.8 U3#6.8 U3#7.8 U3#8.8 U3#9.8
SCL: J4.4 J4#2.4 J4#3.4 J4#4.4 J4#5.4 J4#6.4 J4#7.4 J4#8.4 J4#9.4 J7.4 J7#2.4 J7#3.4 J7#4.4 J7#5.4 J7#6.4 J7#7.4 J7#8.4 J7#9.4 J9.4 J9#2.4 J9#3.4 J9#4.4 J9#5.4 J9#6.4 J9#7.4 J9#8.4 J9#9.4 U3.21 U3#2.21 U3#3.21 U3#4.21 U3#5.21 U3#6.21 U3#7.21 U3#8.21 U3#9.21
SDA: J4.3 J4#2.3 J4#3.3 J4#4.3 J4#5.3 J4#6.3 J4#7.3 J4#8.3 J4#9.3 J7.3 J7#2.3 J7#3.3 J7#4.3 J7#5.3 J7#6.3 J7#7.3 J7#8.3 J7#9.3 J9.3 J9#2.3 J9#3.3 J9#4.3 J9#5.3 J9#6.3 J9#7.3 J9#8.3 J9#9.3 U3.22 U3#2.22 U3#3.22 U3#4.22 U3#5.22 U3#6.22 U3#7.22 U3#8.22 U3#9.22
TXD1: U3.18 U3#2.18 U3#3.18 U3#4.18 U3#5.18 U3#6.18 U3#7.18 U3#8.18 U3#9.18 U4.20 U4#2.20 U4#3.20 U4#4.20 U4#5.20 U4#6.20 U4#7.20 U4#8.20 U4#9.20
TXD2: J2.2 J2#2.2 J2#3.2 J2#4.2 J2#5.2 J2#6.2 J2#7.2 J2#8.2 J2#9.2 J6.6 J6#2.6 J6#3.6 J6#4.6 J6#5.6 J6#6.6 J6#7.6 J6#8.6 J6#9.6 U3.20 U3#2.20 U3#3.20 U3#4.20 U3#5.20 U3#6.20 U3#7.20 U3#8.20 U3#9.20
TXD3: J8.2 J8#2.2 J8#3.2 J8#4.2 J8#5.2 J8#6.2 J8#7.2 J8#8.2 J8#9.2 TP3.1 TP3#2.1 TP3#3.1 TP3#4.1 TP3#5.1 TP3#6.1 TP3#7.1 TP3#8.1 TP3#9.1 U3.27 U3#2.27 U3#3.27 U3#4.27 U3#5.27 U3#6.27 U3#7.27 U3#8.27 U3#9.27
V_BCKP: BT1.+ BT1#2.+ BT1#3.+ BT1#4.+ BT1#5.+ BT1#6.+ BT1#7.+ BT1#8.+ BT1#9.+ C9.1 C9#2.1 C9#3.1 C9#4.1 C9#5.1 C9#6.1 C9#7.1 C9#8.1 C9#9.1 C11.1 C11#2.1 C11#3.1 C11#4.1 C11#5.1 C11#6.1 C11#7.1 C11#8.1 C11#9.1 C12.1 C12#2.1 C12#3.1 C12#4.1 C12#5.1 C12#6.1 C12#7.1 C12#8.1 C12#9.1 D11.5 D11#2.5 D11#3.5 D11#4.5 D11#5.5 D11#6.5 D11#7.5 D11#8.5 D11#9.5 R7.1 R7#2.1 R7#3.1 R7#4.1 R7#5.1 R7#6.1 R7#7.1 R7#8.1 R7#9.1 U3.5 U3#2.5 U3#3.5 U3#4.5 U3#5.5 U3#6.5 U3#7.5 U3#8.5 U3#9.5
~{CS}: J6.4 J6#2.4 J6#3.4 J6#4.4 J6#5.4 J6#6.4 J6#7.4 J6#8.4 J6#9.4 U3.6 U3#2.6 U3#3.6 U3#4.6 U3#5.6 U3#6.6 U3#7.6 U3#8.6 U3#9.6
~{ERR}_STAT: TP1.1 TP1#2.1 TP1#3.1 TP1#4.1 TP1#5.1 TP1#6.1 TP1#7.1 TP1#8.1 TP1#9.1 U3.14 U3#2.14 U3#3.14 U3#4.14 U3#5.14 U3#6.14 U3#7.14 U3#8.14 U3#9.14
~{RESET}: J10.4 J10#2.4 J10#3.4 J10#4.4 J10#5.4 J10#6.4 J10#7.4 J10#8.4 J10#9.4 U3.33 U3#2.33 U3#3.33 U3#4.33 U3#5.33 U3#6.33 U3#7.33 U3#8.33 U3#9.33
~{SDRY}: J10.1 J10#2.1 J10#3.1 J10#4.1 J10#5.1 J10#6.1 J10#7.1 J10#8.1 J10#9.1 U3.10 U3#2.10 U3#3.10 U3#4.10 U3#5.10 U3#6.10 U3#7.10 U3#8.10 U3#9.10
Net-(C3-Pad1): C3.1 C3#2.1 C3#3.1 C3#4.1 C3#5.1 C3#6.1 C3#7.1 C3#8.1 C3#9.1 C4.1 C4#2.1 C4#3.1 C4#4.1 C4#5.1 C4#6.1 C4#7.1 C4#8.1 C4#9.1 L1.1 L1#2.1 L1#3.1 L1#4.1 L1#5.1 L1#6.1 L1#7.1 L1#8.1 L1#9.1 R6.1 R6#2.1 R6#3.1 R6#4.1 R6#5.1 R6#6.1 R6#7.1 R6#8.1 R6#9.1
Net-(C14-Pad1): C14.1 C14#2.1 C14#3.1 C14#4.1 C14#5.1 C14#6.1 C14#7.1 C14#8.1 C14#9.1 C15.1 C15#2.1 C15#3.1 C15#4.1 C15#5.1 C15#6.1 C15#7.1 C15#8.1 C15#9.1 L2.1 L2#2.1 L2#3.1 L2#4.1 L2#5.1 L2#6.1 L2#7.1 L2#8.1 L2#9.1 R12.1 R12#2.1 R12#3.1 R12#4.1 R12#5.1 R12#6.1 R12#7.1 R12#8.1 R12#9.1
Net-(D1-A): D1.2 D1#2.2 D1#3.2 D1#4.2 D1#5.2 D1#6.2 D1#7.2 D1#8.2 D1#9.2 R4.1 R4#2.1 R4#3.1 R4#4.1 R4#5.1 R4#6.1 R4#7.1 R4#8.1 R4#9.1
Net-(D2-A): D2.2 D2#2.2 D2#3.2 D2#4.2 D2#5.2 D2#6.2 D2#7.2 D2#8.2 D2#9.2 R3.1 R3#2.1 R3#3.1 R3#4.1 R3#5.1 R3#6.1 R3#7.1 R3#8.1 R3#9.1
Net-(D3-A2): C6.1 C6#2.1 C6#3.1 C6#4.1 C6#5.1 C6#6.1 C6#7.1 C6#8.1 C6#9.1 D3.2 D3#2.2 D3#3.2 D3#4.2 D3#5.2 D3#6.2 D3#7.2 D3#8.2 D3#9.2 J5.1 J5#2.1 J5#3.1 J5#4.1 J5#5.1 J5#6.1 J5#7.1 J5#8.1 J5#9.1 L1.2 L1#2.2 L1#3.2 L1#4.2 L1#5.2 L1#6.2 L1#7.2 L1#8.2 L1#9.2
Net-(D4-A): D4.2 D4#2.2 D4#3.2 D4#4.2 D4#5.2 D4#6.2 D4#7.2 D4#8.2 D4#9.2 R5.1 R5#2.1 R5#3.1 R5#4.1 R5#5.1 R5#6.1 R5#7.1 R5#8.1 R5#9.1
Net-(D5-K): D5.1 D5#2.1 D5#3.1 D5#4.1 D5#5.1 D5#6.1 D5#7.1 D5#8.1 D5#9.1 R7.2 R7#2.2 R7#3.2 R7#4.2 R7#5.2 R7#6.2 R7#7.2 R7#8.2 R7#9.2
Net-(D8-A): D8.2 D8#2.2 D8#3.2 D8#4.2 D8#5.2 D8#6.2 D8#7.2 D8#8.2 D8#9.2 R10.1 R10#2.1 R10#3.1 R10#4.1 R10#5.1 R10#6.1 R10#7.1 R10#8.1 R10#9.1
Net-(D9-A): D9.2 D9#2.2 D9#3.2 D9#4.2 D9#5.2 D9#6.2 D9#7.2 D9#8.2 D9#9.2 R11.1 R11#2.1 R11#3.1 R11#4.1 R11#5.1 R11#6.1 R11#7.1 R11#8.1 R11#9.1
Net-(D10-A2): C16.1 C16#2.1 C16#3.1 C16#4.1 C16#5.1 C16#6.1 C16#7.1 C16#8.1 C16#9.1 D10.2 D10#2.2 D10#3.2 D10#4.2 D10#5.2 D10#6.2 D10#7.2 D10#8.2 D10#9.2 J3.1 J3#2.1 J3#3.1 J3#4.1 J3#5.1 J3#6.1 J3#7.1 J3#8.1 J3#9.1 L2.2 L2#2.2 L2#3.2 L2#4.2 L2#5.2 L2#6.2 L2#7.2 L2#8.2 L2#9.2
Net-(F1-Pad2): F1.2 F1#2.2 F1#3.2 F1#4.2 F1#5.2 F1#6.2 F1#7.2 F1#8.2 F1#9.2 J1.VBUS J1#2.VBUS J1#3.VBUS J1#4.VBUS J1#5.VBUS J1#6.VBUS J1#7.VBUS J1#8.VBUS J1#9.VBUS
Net-(J1-CC1): J1.A5 J1#2.A5 J1#3.A5 J1#4.A5 J1#5.A5 J1#6.A5 J1#7.A5 J1#8.A5 J1#9.A5 R2.2 R2#2.2 R2#3.2 R2#4.2 R2#5.2 R2#6.2 R2#7.2 R2#8.2 R2#9.2
Net-(J1-CC2): J1.B5 J1#2.B5 J1#3.B5 J1#4.B5 J1#5.B5 J1#6.B5 J1#7.B5 J1#8.B5 J1#9.B5 R1.2 R1#2.2 R1#3.2 R1#4.2 R1#5.2 R1#6.2 R1#7.2 R1#8.2 R1#9.2
Net-(J1-SHIELD): J1.S J1#2.S J1#3.S J1#4.S J1#5.S J1#6.S J1#7.S J1#8.S J1#9.S JP7.2 JP7#2.2 JP7#3.2 JP7#4.2 JP7#5.2 JP7#6.2 JP7#7.2 JP7#8.2 JP7#9.2
Net-(J2-Pin_4): J2.4 J2#2.4 J2#3.4 J2#4.4 J2#5.4 J2#6.4 J2#7.4 J2#8.4 J2#9.4 JP1.1 JP1#2.1 JP1#3.1 JP1#4.1 JP1#5.1 JP1#6.1 JP1#7.1 JP1#8.1 JP1#9.1
Net-(J8-Pin_1): J8.1 J8#2.1 J8#3.1 J8#4.1 J8#5.1 J8#6.1 J8#7.1 J8#8.1 J8#9.1 JP4.2 JP4#2.2 JP4#3.2 JP4#4.2 JP4#5.2 JP4#6.2 JP4#7.2 JP4#8.2 JP4#9.2
Net-(J8-Pin_3): J8.3 J8#2.3 J8#3.3 J8#4.3 J8#5.3 J8#6.3 J8#7.3 J8#8.3 J8#9.3 R8.1 R8#2.1 R8#3.1 R8#4.1 R8#5.1 R8#6.1 R8#7.1 R8#8.1 R8#9.1 TP2.1 TP2#2.1 TP2#3.1 TP2#4.1 TP2#5.1 TP2#6.1 TP2#7.1 TP2#8.1 TP2#9.1
Net-(JP2-A): JP2.1 JP2#2.1 JP2#3.1 JP2#4.1 JP2#5.1 JP2#6.1 JP2#7.1 JP2#8.1 JP2#9.1 R4.2 R4#2.2 R4#3.2 R4#4.2 R4#5.2 R4#6.2 R4#7.2 R4#8.2 R4#9.2
Net-(JP3-A): JP3.1 JP3#2.1 JP3#3.1 JP3#4.1 JP3#5.1 JP3#6.1 JP3#7.1 JP3#8.1 JP3#9.1 R5.2 R5#2.2 R5#3.2 R5#4.2 R5#5.2 R5#6.2 R5#7.2 R5#8.2 R5#9.2
Net-(JP5-A): JP5.1 JP5#2.1 JP5#3.1 JP5#4.1 JP5#5.1 JP5#6.1 JP5#7.1 JP5#8.1 JP5#9.1 R3.2 R3#2.2 R3#3.2 R3#4.2 R3#5.2 R3#6.2 R3#7.2 R3#8.2 R3#9.2
Net-(JP6-A): JP6.1 JP6#2.1 JP6#3.1 JP6#4.1 JP6#5.1 JP6#6.1 JP6#7.1 JP6#8.1 JP6#9.1 R10.2 R10#2.2 R10#3.2 R10#4.2 R10#5.2 R10#6.2 R10#7.2 R10#8.2 R10#9.2
Net-(JP8-A): JP8.1 JP8#2.1 JP8#3.1 JP8#4.1 JP8#5.1 JP8#6.1 JP8#7.1 JP8#8.1 JP8#9.1 R11.2 R11#2.2 R11#3.2 R11#4.2 R11#5.2 R11#6.2 R11#7.2 R11#8.2 R11#9.2
Net-(U1-I/O3): J1.A7 J1.B7 J1#2.A7 J1#2.B7 J1#3.A7 J1#3.B7 J1#4.A7 J1#4.B7 J1#5.A7 J1#5.B7 J1#6.A7 J1#6.B7 J1#7.A7 J1#7.B7 J1#8.A7 J1#8.B7 J1#9.A7 J1#9.B7 U1.4 U1#2.4 U1#3.4 U1#4.4 U1#5.4 U1#6.4 U1#7.4 U1#8.4 U1#9.4 U4.4 U4#2.4 U4#3.4 U4#4.4 U4#5.4 U4#6.4 U4#7.4 U4#8.4 U4#9.4
Net-(U1-I/O4): J1.A6 J1.B6 J1#2.A6 J1#2.B6 J1#3.A6 J1#3.B6 J1#4.A6 J1#4.B6 J1#5.A6 J1#5.B6 J1#6.A6 J1#6.B6 J1#7.A6 J1#7.B6 J1#8.A6 J1#8.B6 J1#9.A6 J1#9.B6 U1.6 U1#2.6 U1#3.6 U1#4.6 U1#5.6 U1#6.6 U1#7.6 U1#8.6 U1#9.6 U4.3 U4#2.3 U4#3.3 U4#4.3 U4#5.3 U4#6.3 U4#7.3 U4#8.3 U4#9.3
Net-(U4-V3): C10.2 C10#2.2 C10#3.2 C10#4.2 C10#5.2 C10#6.2 C10#7.2 C10#8.2 C10#9.2 U4.6 U4#2.6 U4#3.6 U4#4.6 U4#5.6 U4#6.6 U4#7.6 U4#8.6 U4#9.6

Pads without a net: D11 3 4; D11#2 3 4; D11#3 3 4; D11#4 3 4; D11#5 3 4; D11#6 3 4; D11#7 3 4; D11#8 3 4; D11#9 3 4; J1 A8 B8 NC1 NC2 NC3; J1#2 A8 B8 NC1 NC2 NC3; J1#3 A8 B8 NC1 NC2 NC3; J1#4 A8 B8 NC1 NC2 NC3; J1#5 A8 B8 NC1 NC2 NC3; J1#6 A8 B8 NC1 NC2 NC3; J1#7 A8 B8 NC1 NC2 NC3; J1#8 A8 B8 NC1 NC2 NC3; J1#9 A8 B8 NC1 NC2 NC3; J2 1 5; J2#2 1 5; J2#3 1 5; J2#4 1 5; J2#5 1 5; J2#6 1 5; J2#7 1 5; J2#8 1 5; J2#9 1 5; J4 NC1 NC2; J4#2 NC1 NC2; J4#3 NC1 NC2; J4#4 NC1 NC2; J4#5 NC1 NC2; J4#6 NC1 NC2; J4#7 NC1 NC2; J4#8 NC1 NC2; J4#9 NC1 NC2; J7 NC1 NC2; J7#2 NC1 NC2; J7#3 NC1 NC2; J7#4 NC1 NC2; J7#5 NC1 NC2; J7#6 NC1 NC2; J7#7 NC1 NC2; J7#8 NC1 NC2; J7#9 NC1 NC2; J8 NC1 NC2; J8#2 NC1 NC2; J8#3 NC1 NC2; J8#4 NC1 NC2; J8#5 NC1 NC2; J8#6 NC1 NC2; J8#7 NC1 NC2; J8#8 NC1 NC2; J8#9 NC1 NC2; U1 1 3; U1#2 1 3; U1#3 1 3; U1#4 1 3; U1#5 1 3; U1#6 1 3; U1#7 1 3; U1#8 1 3; U1#9 1 3; U2 4; U2#2 4; U2#3 4; U2#4 4; U2#5 4; U2#6 4; U2#7 4; U2#8 4; U2#9 4; U3 12 13 25 26 29 31 38 39 40 42 44 46 47 48; U3#2 12 13 25 26 29 31 38 39 40 42 44 46 47 48; U3#3 12 13 25 26 29 31 38 39 40 42 44 46 47 48; U3#4 12 13 25 26 29 31 38 39 40 42 44 46 47 48; U3#5 12 13 25 26 29 31 38 39 40 42 44 46 47 48; U3#6 12 13 25 26 29 31 38 39 40 42 44 46 47 48; U3#7 12 13 25 26 29 31 38 39 40 42 44 46 47 48; U3#8 12 13 25 26 29 31 38 39 40 42 44 46 47 48; U3#9 12 13 25 26 29 31 38 39 40 42 44 46 47 48; U4 1 9 10 11 12 13 14 15 16 17 18 19 22 23 24; U4#2 1 9 10 11 12 13 14 15 16 17 18 19 22 23 24; U4#3 1 9 10 11 12 13 14 15 16 17 18 19 22 23 24; U4#4 1 9 10 11 12 13 14 15 16 17 18 19 22 23 24; U4#5 1 9 10 11 12 13 14 15 16 17 18 19 22 23 24; U4#6 1 9 10 11 12 13 14 15 16 17 18 19 22 23 24; U4#7 1 9 10 11 12 13 14 15 16 17 18 19 22 23 24; U4#8 1 9 10 11 12 13 14 15 16 17 18 19 22 23 24; U4#9 1 9 10 11 12 13 14 15 16 17 18 19 22 23 24

## Via types
v1: diameter 0.56, hole 0.3, Top to Bottom, 2088 vias

## Routing (per net, layer and track width the routed paths; a pad name or vN(x,y) marks a point on that pad's centre or on a via; arc(x,y) is an arc through that point)
3.3V: length 371.8
  Top w0.152: U4#5.5 74.84,62.48 v1(74.72,62.6) ; v1(129.07,62.6) 129.19,62.48 U4#6.5 ; U4#8.5 129.19,106.16 v1(129.07,106.28) ; U4#3.5 74.84,106.16 v1(74.72,106.28) ; U4#9.5 20.49,18.8 v1(20.38,18.92) ; U4#4.5 20.49,106.16 v1(20.38,106.28) ; U4.5 74.84,18.8 v1(74.72,18.92) ; U4#7.5 129.19,18.8 v1(129.07,18.92) ; v1(20.38,62.6) 20.49,62.48 U4#2.5
  Top w0.254: 83.18,29.71 83.18,29.91 v1(84.57,31.3) ; D5.2 137.52,73.59 v1(138.91,74.98) ; 84.57,67.68 84.57,68.63 85.19,69.25 D11#5.1 ; D11#3.1 30.84,69.25 30.22,68.63 30.22,67.68 ; D5#7.2 137.52,29.91 v1(138.91,31.3) ; 138.91,111.36 138.91,112.31 139.53,112.93 D11#2.1 ; v1(84.57,118.66) 83.18,117.27 83.18,117.07 ; D5#8.2 137.52,117.27 v1(138.91,118.66) ; D5#2.2 28.83,117.27 v1(30.22,118.66) ; 30.22,111.36 30.22,112.31 30.84,112.93 D11.1 ; v1(30.22,74.98) 28.83,73.59 D5#4.2 ; 138.91,24 138.91,24.95 139.53,25.57 D11#6.1 ; D5#9.2 28.83,29.91 v1(30.22,31.3) ; D11#7.1 139.53,69.25 138.91,68.63 138.91,67.68 ; 83.18,73.39 83.18,73.59 v1(84.57,74.98) ; 84.57,111.36 84.57,112.31 85.19,112.93 D11#8.1 ; 84.57,24 84.57,24.95 85.19,25.57 D11#4.1 ; 30.22,24 30.22,24.95 30.84,25.57 D11#9.1
  Top w0.349: v1(128.12,46.22) 127.98,46.09 J7#8.2 ; J7#3.2 73.64,133.44 v1(73.77,133.58) ; R12#2.2 v1(160.82,14.15) ; J7#4.2 73.64,46.09 v1(73.77,46.22) ; J7#7.2 127.98,133.44 v1(128.12,133.58) ; v1(128.12,89.9) 127.98,89.77 J7#6.2 ; R6#9.2 108.25,129.01 v1(108.38,129.13) ; J7#9.2 19.29,46.09 v1(19.42,46.22) ; v1(162.73,41.78) 162.6,41.65 R6#6.2 ; R12#7.2 v1(160.82,57.83) ; v1(19.42,133.58) 19.29,133.44 J7.2 ; R12.2 v1(52.13,101.51) ; J7#2.2 19.29,89.77 v1(19.42,89.9) ; R6#5.2 53.9,129.01 v1(54.03,129.13) ; R12#8.2 v1(160.82,101.51) ; R12#5.2 v1(52.13,57.83) ; R6#4.2 108.25,41.65 v1(108.38,41.78) ; R6#8.2 108.25,85.33 v1(108.38,85.46) ; R6#7.2 162.6,85.33 v1(162.73,85.46) ; v1(138.91,106.28) 138.91,109.45 ; R6#3.2 53.9,85.33 v1(54.03,85.46) ; v1(30.22,62.6) 30.22,65.77 ; v1(162.73,129.13) 162.6,129.01 R6#2.2 ; J7#5.2 73.64,89.77 v1(73.77,89.9) ; R12#4.2 v1(106.47,101.51) ; v1(84.57,62.6) 84.57,65.77 ; v1(138.91,18.92) 138.91,22.09 ; v1(54.03,41.78) 53.9,41.65 R6.2 ; R12#3.2 v1(106.47,57.83) ; v1(84.57,18.92) 84.57,22.09 ; v1(138.91,62.6) 138.91,65.77 ; v1(30.22,18.92) 30.22,22.09 ; v1(84.57,106.28) 84.57,109.45 ; R12#6.2 v1(106.47,14.15) ; v1(30.22,106.28) 30.22,109.45 ; R12#9.2 v1(52.13,14.15)
  Top w0.406: v1(17.2,58.78) 17.84,59.42 C13#5.1 ; v1(31.49,67.04) 31.17,67.04 30.54,67.68 C8#2.1 C5#3.1 v1(31.49,65.77) ; v1(31.49,67.04) 33.47,67.04 ; v1(31.49,67.04) v1(31.49,65.77) ; 33.47,65.77 v1(31.49,65.77) ; v1(140.18,22.09) C5#7.1 C8.1 139.23,24 139.87,23.36 v1(140.18,23.36) ; v1(140.18,22.09) U3#8.24 ; v1(140.18,22.09) v1(140.18,23.36) ; v1(125.9,15.11) 126.53,15.74 C13#8.1 ; v1(72.82,97.7) 72.64,97.89 J4#5.2 ; v1(85.84,110.72) v1(85.84,109.45) ; v1(85.84,110.72) U3#7.23 ; v1(85.84,110.72) 85.52,110.72 84.88,111.36 C8#7.1 C5.1 v1(85.84,109.45) ; v1(85.84,109.45) U3#7.24 ; v1(85.84,22.09) C5#2.1 C8#4.1 84.88,24 85.52,23.36 v1(85.84,23.36) ; v1(85.84,22.09) v1(85.84,23.36) ; v1(85.84,22.09) U3.24 ; 33.47,110.72 v1(31.49,110.72) ; v1(31.49,110.72) v1(31.49,109.45) ; v1(31.49,110.72) 31.17,110.72 30.54,111.36 C8#5.1 C5#4.1 v1(31.49,109.45) ; 33.47,22.09 v1(31.49,22.09) ; v1(31.49,22.09) C5#9.1 C8#9.1 30.54,24 31.17,23.36 v1(31.49,23.36) ; v1(31.49,22.09) v1(31.49,23.36) ; v1(31.49,109.45) 33.47,109.45 ; U3#6.24 v1(140.18,65.77) ; v1(140.18,65.77) v1(140.18,67.04) ; v1(140.18,65.77) C5#8.1 C8#8.1 139.23,67.68 139.87,67.04 v1(140.18,67.04) ; C13.1 17.84,15.74 v1(17.2,15.11) ; v1(85.84,23.36) U3.23 ; v1(140.18,23.36) U3#8.23 ; v1(17.2,102.47) 17.84,103.1 C13#2.1 ; J4#6.2 72.64,54.2 v1(72.82,54.02) ; v1(140.18,67.04) U3#6.23 ; v1(125.9,58.78) 126.53,59.42 C13#9.1 ; v1(18.47,97.7) 18.29,97.89 J4.2 ; U3#2.24 v1(140.18,109.45) ; v1(140.18,109.45) C5#6.1 C8#3.1 139.23,111.36 139.87,110.72 v1(140.18,110.72) ; v1(140.18,109.45) v1(140.18,110.72) ; v1(72.82,10.34) 72.64,10.53 J4#4.2 ; C13#3.1 126.53,103.1 v1(125.9,102.47) ; J4#9.2 18.29,10.53 v1(18.47,10.34) ; v1(71.55,102.47) 72.18,103.1 C13#7.1 ; v1(71.55,58.78) 72.18,59.42 C13#6.1 ; v1(85.84,65.77) C5#5.1 C8#6.1 84.88,67.68 85.52,67.04 v1(85.84,67.04) ; v1(85.84,65.77) U3#5.24 ; v1(85.84,65.77) v1(85.84,67.04) ; v1(71.55,15.11) 72.18,15.74 C13#4.1 ; v1(127.17,54.02) 126.98,54.2 J4#3.2 ; v1(85.84,67.04) U3#5.23 ; v1(127.17,10.34) 126.98,10.53 J4#7.2 ; v1(140.18,110.72) U3#2.23 ; J4#2.2 18.29,54.2 v1(18.47,54.02) ; 33.47,23.36 v1(31.49,23.36) ; v1(127.17,97.7) 126.98,97.89 J4#8.2
  Top w0.559: C5#2.1 C2#3.1 81.08,18.46 81.08,18.31 ; C5#4.1 C2#4.1 26.73,105.82 U2#2.5 ; U2#9.5 26.73,18.46 C2#9.1 C5#9.1 ; C5#3.1 C2.1 26.73,62.14 U2#4.5 ; 81.08,61.99 81.08,62.14 C2#5.1 C5#5.1 ; U2#7.5 135.42,105.82 C2#8.1 C5#6.1 ; C5#7.1 C2#7.1 135.42,18.46 U2#3.5 ; U2#8.5 135.42,62.14 C2#2.1 C5#8.1 ; C5.1 C2#6.1 81.08,105.82 81.08,105.67
  Bottom w0.178: JP2#3.2 24.39,87.88 v1(25.14,88.63) ; v1(133.83,44.95) 133.08,44.2 JP2#2.2 ; v1(133.83,88.63) 133.08,87.88 JP2#8.2 ; JP2#4.2 78.74,44.2 v1(79.49,44.95) ; v1(79.49,88.63) 78.74,87.88 JP2.2 ; v1(25.14,44.95) 24.39,44.2 JP2#9.2 ; v1(25.14,132.31) 24.39,131.56 JP2#7.2 ; JP2#6.2 133.08,131.56 v1(133.83,132.31) ; JP2#5.2 78.74,131.56 v1(79.49,132.31)
  Bottom w0.349: JP4#7.1 162.57,43.84 162.73,43.68 v1(162.73,41.78) ; JP4#2.1 108.22,87.52 108.38,87.36 v1(108.38,85.46) ; v1(162.73,85.46) 162.73,87.36 162.57,87.52 JP4#9.1 ; JP4.1 53.87,43.84 54.03,43.68 v1(54.03,41.78) ; v1(54.03,85.46) 54.03,87.36 53.87,87.52 JP4#3.1 ; JP4#8.1 108.22,131.2 108.38,131.04 v1(108.38,129.13) ; JP4#6.1 162.57,131.2 162.73,131.04 v1(162.73,129.13) ; JP4#5.1 108.22,43.84 108.38,43.68 v1(108.38,41.78) ; v1(54.03,129.13) 54.03,131.04 53.87,131.2 JP4#4.1